# Allegro board arena_12-12_v5.brd (continued)
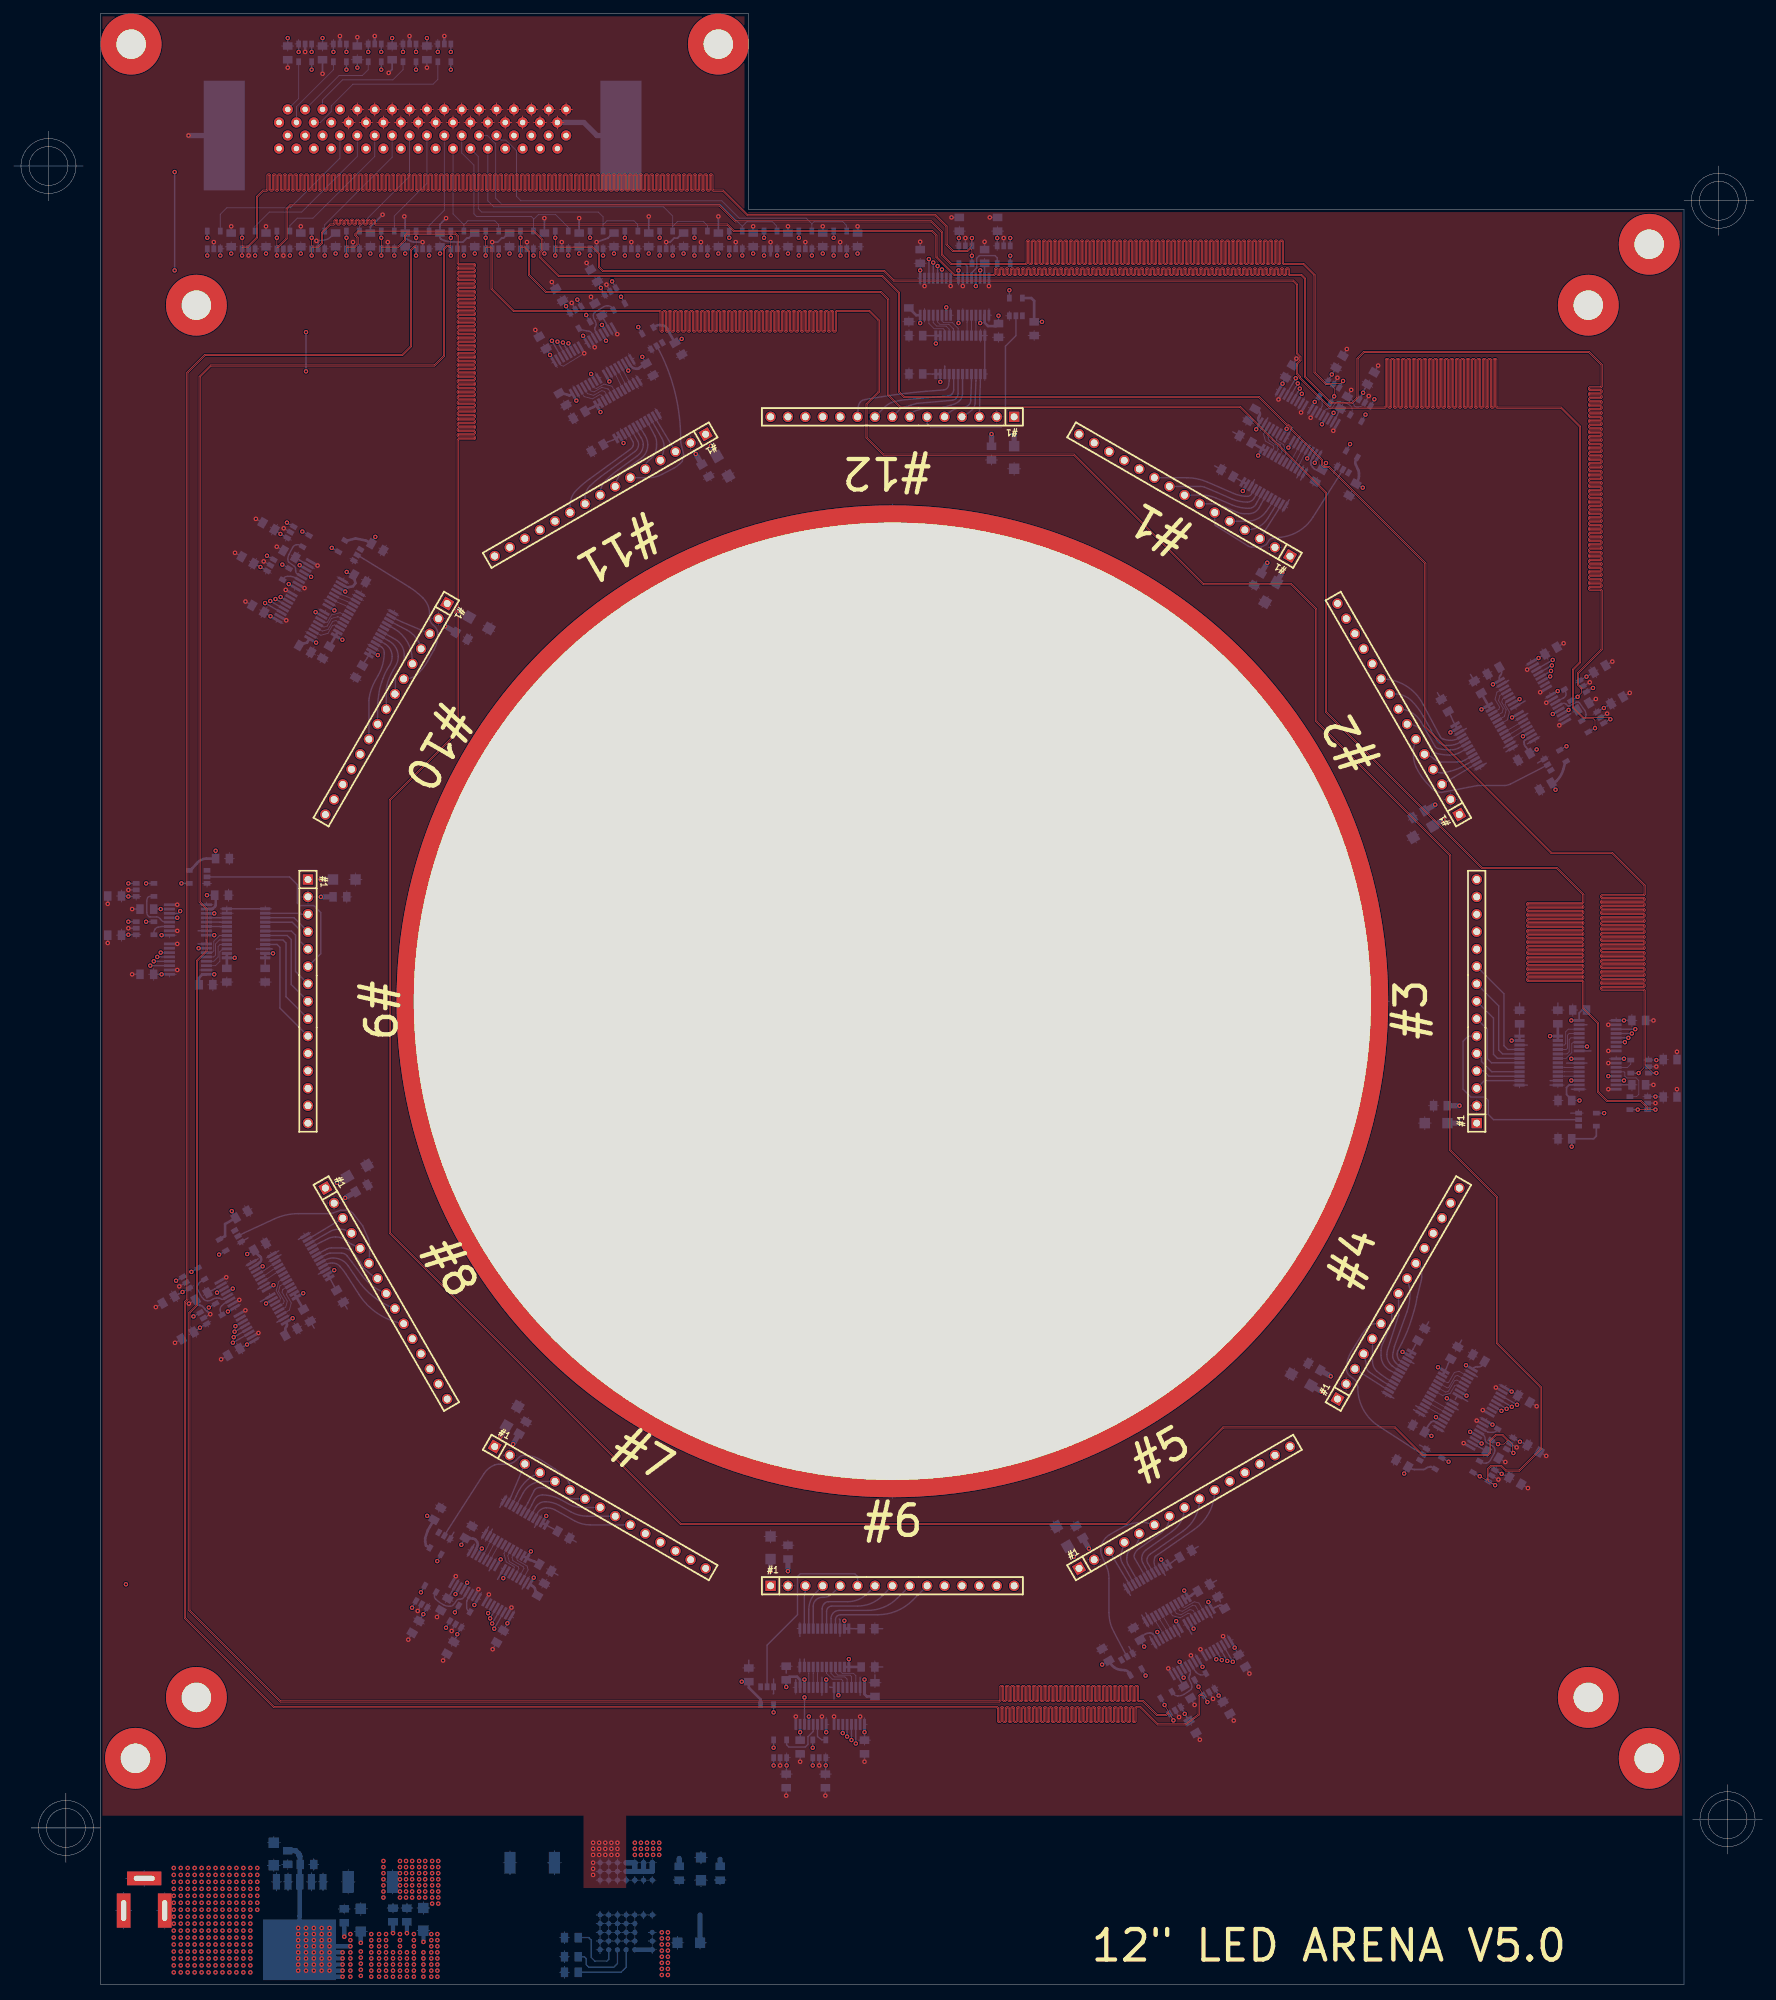
[diagram p0: board, top side]
## Routing (per net, layer and track width the routed paths; a pad name or vN(x,y) marks a point on that pad's centre or on a via; arc(x,y) is an arc through that point) (continued)
ISO3.3V: length 516.6
  BOTTOM w0.127: 170.04,41.08 170.38,40.5 ; 170.38,40.5 170.84,40.76 ; 170.38,40.5 170.72,39.92 ; 41.6,283.91 U75.1 41.07,283.24 ; 60.37,55.04 60.83,54.78 ; 60.37,55.04 60.04,54.46 ; 60.37,55.04 60.71,55.63 ; C184.1 42.79,253.63 ; C184.1 41.03,253.63 ; C184.1 41.91,254.37 ; 64.99,51.54 U78.1 ; U78.1 65.78,51.86 ; U78.1 65.66,52.71 ; U24.1 173.46,46.52 ; U24.1 172.48,48.22 ; U24.1 173.31,47.56 ; C69.1 220.05,86.74 ; C69.1 220.24,85.61 ; C69.1 218.97,86.34 ; C69.1 219.16,85.21 ; 77.35,239.42 C101.1 ; C101.1 76.95,238.34 ; C101.1 78.08,238.15 ; C101.1 78.48,239.22 ; C171.1 118.99,253.63 ; C171.1 118.11,254.37 ; C171.1 117.23,253.63 ; U23.1 215.08,82.63 ; U23.1 215.73,81.81 ; U23.1 214.04,82.79 ; 191.85,234.01 192.19,234.59 ; 191.85,234.01 191.51,233.42 ; 191.85,234.01 191.39,234.27 ; 112.78,29.99 C185.1 ; C185.1 112.78,31.45 ; C185.1 111.89,30.72 ; C185.1 113.66,30.72 ; 237.86,129.6 U68.1 238.53,130.13 ; C161.1 221.44,79.5 ; C161.1 220.37,79.1 ; C161.1 220.56,77.97 ; C161.1 221.64,78.37 ; C83.1 86.21,242.98 ; C83.1 86.61,244.05 ; C83.1 85.08,243.17 ; 240.81,128.66 C189.1 ; C189.1 240.08,129.54 ; C189.1 240.81,130.42 ; C189.1 241.54,129.54 ; C77.1 236.24,141.6 ; C77.1 236.97,140.72 ; C77.1 236.24,139.83 ; 56.31,283.24 U83.1 56.84,283.91 ; C156.1 52.07,254.37 ; C156.1 52.95,253.63 ; C156.1 51.19,253.63 ; U98.1 175.79,43.43 ; U98.1 175,43.75 ; U98.1 175.67,42.58 ; 61.39,283.24 U81.1 61.92,283.91 ; 51.76,283.91 U79.1 51.23,283.24 ; 76.59,253.63 C188.1 ; C188.1 77.47,254.37 ; C188.1 78.35,253.63 ; 232.56,186.59 C153.1 ; C153.1 233.63,186.19 ; C153.1 233.83,187.32 ; C153.1 232.76,187.72 ; C160.1 56.13,282.94 ; C160.1 54.36,282.94 ; C160.1 55.25,282.21 ; C89.1 125.09,35.67 ; C89.1 123.32,35.67 ; C89.1 124.21,34.94 ; 227.61,185.7 C97.1 228.68,185.3 ; 122.13,253.34 U51.1 121.6,254.02 ; U21.1 225.26,188.7 ; U21.1 223.56,187.72 ; U21.1 224.22,188.55 ; 142.76,255.92 C166.1 ; C166.1 143.64,256.65 ; C166.1 144.52,255.92 ; C166.1 143.64,255.19 ; 80.87,244.56 81.21,243.98 ; 81.21,243.98 81.54,243.4 ; 81.21,243.98 80.75,243.72 ; 214.4,78.21 C91.1 ; C91.1 214.59,77.08 ; C91.1 215.67,77.48 ; C164.1 61.21,282.94 ; C164.1 59.44,282.94 ; C164.1 60.33,282.21 ; 91.65,253.34 U63.1 91.12,254.02 ; C173.1 231.09,190.76 ; C173.1 230.02,191.16 ; C173.1 230.22,192.29 ; C173.1 231.29,191.89 ; C99.1 179.19,47.48 ; C99.1 179.59,48.55 ; C99.1 178.46,48.74 ; C99.1 178.06,47.67 ; 90.68,18.35 U130.A3 91.25,17.78 ; U3.1 35.25,93.64 ; U3.1 35.9,94.47 ; U3.1 34.2,93.49 ; 19.7,147.45 C105.1 ; C105.1 20.43,146.57 ; C105.1 20.43,148.33 ; 25.83,96.01 C197.1 ; C197.1 26.9,95.61 ; C197.1 25.63,94.88 ; C197.1 26.71,94.48 ; U130.A1 93.22,18.35 ; U130.A1 92.65,17.78 ; U130.A1 93.79,17.78 ; 30.69,253.34 U85.1 30.16,254.02 ; C180.1 102.87,254.37 ; C180.1 103.75,253.63 ; C180.1 101.99,253.63 ; 61.35,253.63 C175.1 ; C175.1 63.11,253.63 ; C175.1 62.23,254.37 ; 23.71,153.16 U16.1 22.73,152.78 ; 212.13,79.49 U23.7 213.83,78.51 ; 238.66,135.46 U94.1 237.98,134.93 ; C170.1 35.66,207.03 ; C170.1 34.59,206.63 ; C170.1 34.4,207.76 ; C170.1 35.47,208.16 ; 85.83,246.39 U60.1 ; U60.1 85.95,247.23 ; U60.1 86.62,246.06 ; 96.91,253.63 C187.1 ; C187.1 97.79,254.37 ; C187.1 98.67,253.63 ; 119,37.97 U13.1 118.62,38.95 ; 83.36,239.46 U18.1 ; U18.1 83.2,240.5 ; U18.1 84.18,238.8 ; 40.85,253.34 U89.1 40.32,254.02 ; 195.97,231.6 196.42,231.34 196.76,231.92 ; 39.93,211.15 40.52,210.81 ; 39.93,211.15 39.67,210.7 ; 39.93,211.15 39.35,211.49 ; 107.07,253.63 C195.1 ; C195.1 108.83,253.63 ; C195.1 107.95,254.37 ; 62.6,56.81 C73.1 ; C73.1 63,55.73 ; C73.1 64.13,55.92 ; C73.1 63.73,57 ; C182.1 177.3,41.69 ; C182.1 175.77,40.81 ; C182.1 176.17,41.88 ; C182.1 176.9,40.62 ; 56.27,253.63 C167.1 ; C167.1 57.15,254.37 ; C167.1 58.03,253.63 ; 15.73,158 C193.1 ; C193.1 15,158.88 ; C193.1 15.73,159.76 ; C193.1 16.46,158.88 ; 46.68,283.91 U77.1 46.15,283.24 ; C177.1 80.89,246.21 ; C177.1 79.76,246.4 ; C177.1 79.36,245.33 ; C177.1 80.5,245.14 ; 25.06,101.32 U54.1 ; U54.1 25.9,101.2 ; U54.1 26.23,101.99 ; 27.67,100.59 C93.1 ; C93.1 27.86,101.72 ; C93.1 28.93,101.32 ; 80.96,254.02 U65.1 81.49,253.34 ; U2.1 72.98,53.53 ; U2.1 73.13,54.57 ; U2.1 72.15,52.87 ; 187.47,229.91 U8.7 188.45,231.61 ; 45.09,282.21 C172.1 ; C172.1 44.2,282.94 ; C172.1 45.97,282.94 ; C157.1 193.81,235.55 ; C157.1 193.41,236.62 ; C157.1 192.68,235.36 ; C157.1 192.28,236.43 ; C42.1 100.33,19.48 ; C42.1 99.39,18.54 ; C42.1 101.27,18.54 ; C42.1 100.33,17.6 ; C186.1 65.02,49.57 ; C186.1 63.49,50.46 ; C186.1 64.62,50.65 ; C186.1 63.89,49.38 ; 119.08,33.12 U76.1 118.55,33.8 ; 170.46,44.17 C81.1 170.06,43.1 ; C168.1 88.51,253.63 ; C168.1 87.63,254.37 ; C168.1 86.75,253.63 ; 71.13,51.03 C67.1 ; C67.1 71.86,52.3 ; C67.1 70.73,52.11 ; C67.1 72.26,51.22 ; 177.18,51.01 U12.1 ; U12.1 178.16,49.32 ; U12.1 178.01,50.36 ; 42.2,207.62 U17.7 43.9,206.64 ; 91.38,17.78 U130.A2 ; U130.A2 92.52,17.78 ; U130.A2 91.95,18.35 ; C192.1 113.91,253.63 ; C192.1 112.15,253.63 ; C192.1 113.03,254.37 ; 36.11,199.52 C87.1 ; C87.1 37,201.05 ; C87.1 35.92,200.65 ; C87.1 37.19,199.92 ; 217.7,74.4 C165.1 ; C165.1 217.89,73.27 ; C165.1 218.78,74.8 ; C165.1 218.97,73.67 ; 101.28,254.02 U55.1 101.81,253.34 ; 65.01,59.14 U14.7 64.03,57.44 ; U11.1 218.53,86.63 ; U11.1 216.83,87.61 ; U11.1 217.87,87.46 ; C183.1 32.63,253.63 ; C183.1 31.75,254.37 ; C183.1 30.87,253.63 ; 233.93,135.51 U22.1 232.95,135.13 ; 40.3,204.33 U17.1 ; U17.1 42,203.34 ; U17.1 40.95,203.5 ; 23.03,101.21 C198.1 ; C198.1 23.91,99.68 ; C198.1 22.84,100.08 ; C198.1 24.1,100.82 ; 37.44,212.72 C169.1 ; C169.1 37.64,211.59 ; C169.1 38.52,213.12 ; C169.1 38.71,211.99 ; 38.29,198.8 U5.1 ; U5.1 37.63,199.63 ; U5.1 39.33,198.65 ; 132.33,248.07 U7.1 131.95,249.05 ; C191.1 47.87,253.63 ; C191.1 46.11,253.63 ; C191.1 46.99,254.37 ; 84.84,249.19 C178.1 ; C178.1 85.97,249 ; C178.1 85.58,247.93 ; C178.1 84.44,248.12 ; C71.1 186.45,234.15 ; C71.1 184.92,235.03 ; C71.1 186.05,235.22 ; C71.1 185.32,233.96 ; 189.02,230.19 U20.1 ; U20.1 189.85,230.85 ; U20.1 188.87,229.15 ; 40.49,208.65 C103.1 ; C103.1 41.76,207.92 ; C103.1 41.57,209.05 ; 228.35,190.77 U92.1 ; U92.1 228.03,189.98 ; U92.1 229.2,190.66 ; 197.25,232.94 C190.1 ; C190.1 197.99,234.21 ; C190.1 196.86,234.02 ; C190.1 198.38,233.13 ; 216.23,75.11 216.81,74.77 ; 216.23,75.11 216.49,75.56 ; 216.23,75.11 215.64,75.44 ; 137.54,249.05 U19.1 137.92,248.07 ; 31.2,102.6 U15.7 29.5,101.62 ; C111.1 133.22,251.22 ; C111.1 131.45,251.22 ; C111.1 132.33,251.95 ; C179.1 36.83,254.37 ; C179.1 37.71,253.63 ; C179.1 35.95,253.63 ; 137.46,253.77 U88.1 137.99,253.1 ; U6.1 79.36,236.01 ; U6.1 78.38,237.7 ; U6.1 78.53,236.66 ; C113.1 223.98,193.43 ; C113.1 223.1,194.96 ; C113.1 224.18,194.56 ; C113.1 222.91,193.82 ; 232.95,140.72 U10.1 233.93,141.1 ; 193.15,228.94 U20.7 192.17,227.24 ; 169.18,46.31 U24.7 170.16,44.62 ; 31.41,98.32 U15.1 ; U15.1 33.11,99.3 ; U15.1 32.45,98.47 ; C163.1 40.89,282.94 ; C163.1 40.01,282.21 ; C163.1 39.12,282.94 ; C174.1 138.93,255.92 ; C174.1 138.05,255.19 ; C174.1 137.17,255.92 ; C174.1 138.05,256.65 ; 15,153.16 C194.1 ; C194.1 16.46,153.16 ; C194.1 15.73,154.04 ; C194.1 15.73,152.28 ; 36.43,206.66 37.01,206.33 ; 37.01,206.33 36.75,205.87 ; 37.01,206.33 37.59,205.99 ; 116.52,254.02 U49.1 117.05,253.34 ; C154.1 59.54,53.7 ; C154.1 58.81,52.43 ; C154.1 59.94,52.62 ; C154.1 58.41,53.51 ; 225.47,184.42 U21.7 227.16,185.4 ; 35.77,253.34 U87.1 35.24,254.02 ; C162.1 119.37,30.72 ; C162.1 117.61,30.72 ; C162.1 118.49,29.99 ; C162.1 118.49,31.45 ; 18.56,153.23 U82.1 17.88,152.7 ; C152.1 72.39,254.37 ; C152.1 71.51,253.63 ; C152.1 73.27,253.63 ; U80.1 28.77,96.78 ; U80.1 28.44,95.99 ; U80.1 27.6,96.11 ; 67.33,55.54 U14.1 ; U14.1 68.15,56.19 ; U14.1 68.31,57.24 ; C176.1 67.31,254.37 ; C176.1 68.19,253.63 ; C176.1 66.43,253.63 ; C155.1 93.59,253.63 ; C155.1 92.71,254.37 ; C155.1 91.83,253.63 ; C158.1 171.95,37.83 ; C158.1 172.35,38.9 ; C158.1 171.22,39.09 ; C158.1 170.82,38.02 ; 240.81,134.12 C181.1 ; C181.1 240.81,135.88 ; C181.1 241.54,135 ; C181.1 240.08,135 ; 193.32,229.39 C107.1 ; C107.1 194.45,229.58 ; C107.1 194.05,230.65 ; 124.21,38.95 U1.1 124.59,37.97 ; 50.48,254.02 U93.1 51.01,253.34 ; C75.1 33.63,93.2 ; C75.1 32.56,93.59 ; C75.1 33.44,92.06 ; C75.1 32.36,92.46 ; 221.42,193.38 U9.1 ; U9.1 220.77,192.55 ; U9.1 222.46,193.53 ; 184.32,232.86 U8.1 ; U8.1 184.17,231.82 ; U8.1 185.15,233.51 ; 218.31,80.14 U96.1 ; U96.1 219.48,79.47 ; U96.1 219.16,80.26 ; 60.64,254.02 U97.1 61.17,253.34 ; 106.36,254.02 U59.1 106.89,253.34 ; 45.4,254.02 U91.1 45.93,253.34 ; C159.1 82.55,254.37 ; C159.1 81.67,253.63 ; C159.1 83.43,253.63 ; 236.97,131.32 C95.1 236.24,130.44 ; 87.48,240.71 U18.7 86.5,242.4 ; 86.57,253.34 U61.1 86.04,254.02 ; 96.73,253.34 U53.1 96.2,254.02 ; 112.84,33.8 U50.1 113.36,33.12 ; C196.1 124.07,253.63 ; C196.1 123.19,254.37 ; C196.1 122.31,253.63 ; 76.41,253.34 U67.1 75.88,254.02 ; 49.28,280.94 C151.1 ; C151.1 51.05,280.94 ; C151.1 50.17,281.67 ; 143.58,253.1 U62.1 143.05,253.77 ; 18.56,158.82 U56.1 17.88,158.29 ; 230.89,186.2 U66.1 ; U66.1 230.57,185.41 ; U66.1 231.74,186.09 ; 55.56,254.02 U95.1 56.09,253.34 ; 111.97,253.34 U57.1 111.44,254.02 ; 23.71,147.45 U4.1 22.73,147.06 ; 141.73,251.95 C109.1 142.61,251.22
  BOTTOM w0.203: C111.1 v1(132.33,250.19) U7.1 ; C113.1 222.55,193.62 ; C71.1 v1(185.23,233.65) U8.1 ; U9.1 v1(222.61,193.61) ; U65.1 v1(80.96,252.36) ; U10.1 v1(235.08,140.72) C77.1 ; C87.1 v1(37.49,199.71) U5.1 ; C103.1 42.06,207.71 U17.7 ; C185.1 v1(112.84,31.98) U50.1 ; U20.1 v1(189.93,230.99) ; U15.1 v1(31.27,98.23) ; C165.1 v1(217.22,74.53) 216.23,75.11 ; C170.1 v1(36.02,206.9) 37.01,206.33 ; C158.1 v1(170.95,39.51) 170.38,40.5 ; U83.1 v1(56.84,282.08) ; U6.1 v1(78.3,237.85) C101.1 ; C183.1 v1(31.75,252.65) ; U81.1 v1(61.92,282.08) ; U20.7 193.23,229.08 C107.1 ; C161.1 v1(219.89,79.23) U96.1 ; C164.1 v1(60.33,284.1) ; C177.1 v1(80.63,244.97) 81.21,243.98 ; U85.1 v1(30.16,252.36) ; C153.1 v1(232.14,186.32) U66.1 ; U88.1 v1(137.99,254.91) C174.1 ; U21.7 227.3,185.49 ; 196.42,231.34 v1(196.99,232.33) 197.23,232.9 C190.1 ; U11.1 v1(218.67,86.55) C69.1 ; U24.1 v1(173.55,46.38) ; C188.1 v1(77.47,252.65) ; C175.1 v1(62.23,252.65) ; U68.1 v1(239.67,129.6) C189.1 ; U77.1 v1(46.68,282.08) ; C176.1 v1(67.31,252.65) ; C85.1 v1(21.46,156.97) U16.7 ; C159.1 v1(82.55,252.65) ; C79.1 v1(114.81,36.83) U13.7 ; C81.1 170.25,44.48 U24.7 ; U79.1 v1(51.76,282.08) ; U59.1 v1(106.36,252.36) ; U53.1 v1(96.2,252.36) ; C169.1 v1(38.94,211.72) 39.93,211.15 ; U13.1 v1(118.62,36.83) ; U94.1 v1(239.8,134.93) C181.1 ; C193.1 v1(16.74,158.82) U56.1 ; U51.1 v1(121.6,252.36) ; U78.1 v1(64.75,51.13) C186.1 ; C105.1 v1(21.59,147.45) U4.1 ; C163.1 v1(40.01,284.1) ; C83.1 86.42,242.54 U18.7 ; U57.1 v1(111.44,252.36) ; U89.1 v1(40.32,252.36) ; C171.1 v1(118.11,252.65) ; U95.1 v1(55.56,252.36) ; U62.1 v1(143.58,254.91) C166.1 ; C167.1 v1(57.15,252.65) ; U92.1 v1(229.6,190.89) C173.1 ; U54.1 v1(24.65,101.08) 24.15,100.84 C198.1 ; C182.1 v1(175.91,42.18) U98.1 ; U14.7 63.95,57.3 C73.1 ; C179.1 v1(36.83,252.65) ; C191.1 v1(46.99,252.65) ; C157.1 v1(192.42,235) 191.85,234.01 ; C154.1 v1(59.8,54.05) 60.37,55.04 ; C89.1 v1(124.21,36.83) U1.1 ; U82.1 v1(16.74,153.23) C194.1 ; U19.7 C109.1 ; U18.1 v1(83.12,240.64) ; U97.1 v1(60.64,252.36) ; C178.1 v1(85.71,247.64) U60.1 ; U80.1 v1(27.19,95.87) C197.1 ; U76.1 v1(118.55,31.98) C162.1 ; U17.1 v1(40.16,204.41) ; C192.1 v1(113.03,252.65) ; C172.1 v1(45.09,284.1) ; C196.1 v1(123.19,252.65) ; U16.1 v1(21.59,153.16) ; U23.7 213.97,78.43 C91.1 ; C184.1 v1(41.91,252.65) ; U22.1 v1(235.08,135.13) ; C93.1 29.36,101.53 U15.7 ; U61.1 v1(86.04,252.36) ; C99.1 v1(178.24,49.17) U12.1 ; U71.1 v1(65.72,252.36) ; U2.1 v1(72.07,52.73) C67.1 ; U63.1 v1(91.12,252.36) ; C75.1 v1(34.06,93.41) U3.1 ; U55.1 v1(101.28,252.36) ; U49.1 v1(116.52,252.36) ; C152.1 v1(72.39,252.65) ; U14.1 v1(67.25,55.4) ; U67.1 v1(75.88,252.36) ; U22.7 C95.1 ; U93.1 v1(50.48,252.36) ; U23.1 v1(215.87,81.72) ; C195.1 v1(107.95,252.65) ; U87.1 v1(35.24,252.36) ; C156.1 v1(52.07,252.65) ; U75.1 v1(41.6,282.08) ; C151.1 v1(50.17,279.78) ; C168.1 v1(87.63,252.65) ; U91.1 v1(45.4,252.36) ; C180.1 v1(102.87,252.65) ; U69.1 v1(70.8,252.36) ; C187.1 v1(97.79,252.65) ; U21.1 v1(225.4,188.79) ; C155.1 v1(92.71,252.65) ; C160.1 v1(55.25,284.1) ; U19.1 v1(137.92,250.19)
  BOTTOM w0.762: U130.B2 U130.A2 ; U130.B2 U130.B1 U130.A1 ; U130.B2 U130.B3 ; U130.B4 U130.B3 ; U130.B3 U130.A3 U130.A4 ; C43.1 103.12,18.29 ; C44.1 97.16,18.41
  vias: v1(90.68,20.7) v1(90.68,19.81) v1(90.68,18.92) v1(91.57,20.7) v1(91.57,19.81) v1(91.57,18.92) v1(92.46,20.7) v1(92.46,19.81) v1(92.46,18.92) v1(93.35,20.7) v1(93.35,19.81) v1(93.35,18.92) v1(94.23,20.7) v1(94.23,19.81) v1(94.23,18.92)
M0_N: length 471.4
  PWR w0.089: v1(116.65,34.57) 116.65,33.45 116.56,33.36 114.39,33.36 113.79,32.77 113.79,31.37 113.41,30.99 110.23,30.99 110.16,31.05 110.16,32.73 109.99,32.89 109.76,32.89 109.59,32.73 109.59,31.05 109.53,30.99 109.44,30.99 109.37,31.05 109.37,32.73 109.21,32.89 108.97,32.89 108.8,32.73 108.8,31.05 108.74,30.99 108.65,30.99 108.59,31.05 108.59,32.73 108.42,32.89 108.18,32.89 108.02,32.73 108.02,31.05 107.95,30.99 107.86,30.99 107.8,31.05 107.8,32.73 107.63,32.89 107.4,32.89 107.23,32.73 107.23,31.05 107.17,30.99 107.08,30.99 107.01,31.05 107.01,32.73 106.85,32.89 106.61,32.89 106.44,32.73 106.44,31.05 106.38,30.99 106.05,30.99 104.39,32.64 103.77,32.64 103.6,32.47 103.6,30.59 103.54,30.53 103.45,30.53 103.38,30.59 103.38,32.47 103.22,32.64 102.98,32.64 102.81,32.47 102.81,30.59 102.75,30.53 102.66,30.53 102.6,30.59 102.6,32.47 102.43,32.64 102.19,32.64 102.02,32.47 102.02,30.59 101.96,30.53 101.87,30.53 101.81,30.59 101.81,32.47 101.64,32.64 101.4,32.64 101.24,32.47 101.24,30.59 101.17,30.53 101.08,30.53 101.02,30.59 101.02,32.47 100.85,32.64 100.62,32.64 100.45,32.47 100.45,30.59 100.39,30.53 100.3,30.53 100.23,30.59 100.23,32.47 100.07,32.64 99.83,32.64 99.66,32.47 99.66,30.59 99.6,30.53 99.51,30.53 99.45,30.59 99.45,32.47 99.28,32.64 99.04,32.64 98.87,32.47 98.87,30.59 98.81,30.53 98.72,30.53 98.66,30.59 98.66,32.47 98.49,32.64 98.25,32.64 98.09,32.47 98.09,30.59 98.02,30.53 97.93,30.53 97.87,30.59 97.87,32.47 97.7,32.64 97.47,32.64 97.3,32.47 97.3,30.59 97.24,30.53 97.15,30.53 97.08,30.59 97.08,32.47 96.92,32.64 96.68,32.64 96.51,32.47 96.51,30.59 96.45,30.53 96.36,30.53 96.3,30.59 96.3,32.47 96.13,32.64 95.89,32.64 95.72,32.47 95.72,30.59 95.66,30.53 95.57,30.53 95.51,30.59 95.51,32.47 95.34,32.64 95.11,32.64 94.94,32.47 94.94,30.59 94.87,30.53 94.79,30.53 94.72,30.59 94.72,32.47 94.55,32.64 35.94,32.64 33.91,34.67 33.91,47.88 32.13,49.66 16.38,49.66 14.48,51.56 14.48,273.81 19.3,278.64 22.31,278.64 22.47,278.81 22.47,279.29 22.54,279.35 22.63,279.35 22.69,279.29 22.69,278.81 22.86,278.64 23.09,278.64 23.26,278.81 23.26,279.29 23.32,279.35 23.41,279.35 23.48,279.29 23.48,278.81 23.64,278.64 23.88,278.64 24.05,278.81 24.05,279.29 24.11,279.35 24.2,279.35 24.26,279.29 24.26,278.81 24.43,278.64 24.67,278.64 24.84,278.81 24.84,279.29 24.9,279.35 24.99,279.35 25.05,279.29 25.05,278.81 25.22,278.64 25.46,278.64 25.62,278.81 25.62,279.29 25.69,279.35 25.78,279.35 25.84,279.29 25.84,278.81 26.01,278.64 26.24,278.64 26.41,278.81 26.41,279.29 26.47,279.35 26.56,279.35 26.63,279.29 26.63,278.81 26.79,278.64 27.03,278.64 27.2,278.81 27.2,279.29 27.26,279.35 27.35,279.35 27.41,279.29 27.41,278.81 27.58,278.64 27.82,278.64 27.99,278.81 27.99,279.29 28.05,279.35 28.14,279.35 28.2,279.29 28.2,278.81 28.37,278.64 28.61,278.64 28.77,278.81 28.77,279.29 28.84,279.35 28.93,279.35 28.99,279.29 28.99,278.81 29.16,278.64 29.39,278.64 29.56,278.81 29.56,279.29 29.62,279.35 29.71,279.35 29.78,279.29 29.78,278.81 29.94,278.64 30.18,278.64 30.35,278.81 30.35,279.29 30.41,279.35 30.5,279.35 30.56,279.29 30.56,278.81 30.73,278.64 30.97,278.64 31.14,278.81 31.14,279.29 31.2,279.35 31.29,279.35 31.35,279.29 31.35,278.81 31.52,278.64 31.76,278.64 31.92,278.81 31.92,279.29 31.99,279.35 32.08,279.35 32.14,279.29 32.14,278.81 32.31,278.64 32.54,278.64 32.71,278.81 32.71,279.29 32.77,279.35 32.86,279.35 32.93,279.29 32.93,278.81 33.09,278.64 33.33,278.64 33.5,278.81 33.5,279.29 33.56,279.35 33.65,279.35 33.71,279.29 33.71,278.81 33.88,278.64 34.12,278.64 34.28,278.81 34.28,279.29 34.35,279.35 34.44,279.35 34.5,279.29 34.5,278.81 34.67,278.64 34.9,278.64 35.07,278.81 35.07,279.29 35.14,279.35 35.22,279.35 35.29,279.29 35.29,278.81 35.46,278.64 35.69,278.64 35.86,278.81 35.86,279.29 35.92,279.35 36.01,279.35 36.08,279.29 36.08,278.81 36.24,278.64 36.48,278.64 36.65,278.81 36.65,279.29 36.71,279.35 36.8,279.35 36.86,279.29 36.86,278.81 37.03,278.64 37.27,278.64 37.43,278.81 37.43,279.29 37.5,279.35 37.59,279.35 37.65,279.29 37.65,278.81 37.82,278.64 38.05,278.64 38.22,278.81 38.22,279.29 38.29,279.35 38.37,279.35 38.44,279.29 38.44,278.81 38.61,278.64 43.82,278.64 45.09,279.91 45.09,280.86 44.89,281.05 44.45,281.05 43.49,282.01 v1(43.49,282.08)
  BOTTOM w0.203: U75.3 v1(43.49,282.08) ; U76.4 v1(116.65,34.57)
M0_P: length 471.7
  PWR w0.089: v1(116.65,31.98) 116.65,33.1 116.56,33.19 114.46,33.19 113.97,32.69 113.97,31.3 113.48,30.81 110.15,30.81 109.98,30.98 109.98,32.65 109.92,32.72 109.83,32.72 109.77,32.65 109.77,30.98 109.6,30.81 109.36,30.81 109.2,30.98 109.2,32.65 109.13,32.72 109.04,32.72 108.98,32.65 108.98,30.98 108.81,30.81 108.58,30.81 108.41,30.98 108.41,32.65 108.35,32.72 108.26,32.72 108.19,32.65 108.19,30.98 108.03,30.81 107.79,30.81 107.62,30.98 107.62,32.65 107.56,32.72 107.47,32.72 107.41,32.65 107.41,30.98 107.24,30.81 107,30.81 106.83,30.98 106.83,32.65 106.77,32.72 106.68,32.72 106.62,32.65 106.62,30.98 106.45,30.81 105.97,30.81 104.32,32.46 103.84,32.46 103.78,32.4 103.78,30.52 103.61,30.35 103.37,30.35 103.21,30.52 103.21,32.4 103.14,32.46 103.05,32.46 102.99,32.4 102.99,30.52 102.82,30.35 102.59,30.35 102.42,30.52 102.42,32.4 102.35,32.46 102.27,32.46 102.2,32.4 102.2,30.52 102.03,30.35 101.8,30.35 101.63,30.52 101.63,32.4 101.57,32.46 101.48,32.46 101.41,32.4 101.41,30.52 101.25,30.35 101.01,30.35 100.84,30.52 100.84,32.4 100.78,32.46 100.69,32.46 100.63,32.4 100.63,30.52 100.46,30.35 100.22,30.35 100.06,30.52 100.06,32.4 99.99,32.46 99.9,32.46 99.84,32.4 99.84,30.52 99.67,30.35 99.44,30.35 99.27,30.52 99.27,32.4 99.2,32.46 99.12,32.46 99.05,32.4 99.05,30.52 98.88,30.35 98.65,30.35 98.48,30.52 98.48,32.4 98.42,32.46 98.33,32.46 98.26,32.4 98.26,30.52 98.1,30.35 97.86,30.35 97.69,30.52 97.69,32.4 97.63,32.46 97.54,32.46 97.48,32.4 97.48,30.52 97.31,30.35 97.07,30.35 96.91,30.52 96.91,32.4 96.84,32.46 96.75,32.46 96.69,32.4 96.69,30.52 96.52,30.35 96.29,30.35 96.12,30.52 96.12,32.4 96.06,32.46 95.97,32.46 95.9,32.4 95.9,30.52 95.74,30.35 95.5,30.35 95.33,30.52 95.33,32.4 95.27,32.46 95.18,32.46 95.12,32.4 95.12,30.52 94.95,30.35 94.71,30.35 94.54,30.52 94.54,32.4 94.48,32.46 35.87,32.46 33.73,34.6 33.73,47.81 32.06,49.48 16.31,49.48 14.3,51.49 14.3,273.89 19.23,278.82 22.23,278.82 22.3,278.88 22.3,279.36 22.46,279.53 22.7,279.53 22.87,279.36 22.87,278.88 22.93,278.82 23.02,278.82 23.08,278.88 23.08,279.36 23.25,279.53 23.49,279.53 23.66,279.36 23.66,278.88 23.72,278.82 23.81,278.82 23.87,278.88 23.87,279.36 24.04,279.53 24.27,279.53 24.44,279.36 24.44,278.88 24.51,278.82 24.59,278.82 24.66,278.88 24.66,279.36 24.83,279.53 25.06,279.53 25.23,279.36 25.23,278.88 25.29,278.82 25.38,278.82 25.45,278.88 25.45,279.36 25.61,279.53 25.85,279.53 26.02,279.36 26.02,278.88 26.08,278.82 26.17,278.82 26.23,278.88 26.23,279.36 26.4,279.53 26.64,279.53 26.8,279.36 26.8,278.88 26.87,278.82 26.96,278.82 27.02,278.88 27.02,279.36 27.19,279.53 27.42,279.53 27.59,279.36 27.59,278.88 27.66,278.82 27.74,278.82 27.81,278.88 27.81,279.36 27.98,279.53 28.21,279.53 28.38,279.36 28.38,278.88 28.44,278.82 28.53,278.82 28.6,278.88 28.6,279.36 28.76,279.53 29,279.53 29.17,279.36 29.17,278.88 29.23,278.82 29.32,278.82 29.38,278.88 29.38,279.36 29.55,279.53 29.79,279.53 29.95,279.36 29.95,278.88 30.02,278.82 30.11,278.82 30.17,278.88 30.17,279.36 30.34,279.53 30.57,279.53 30.74,279.36 30.74,278.88 30.81,278.82 30.89,278.82 30.96,278.88 30.96,279.36 31.13,279.53 31.36,279.53 31.53,279.36 31.53,278.88 31.59,278.82 31.68,278.82 31.74,278.88 31.74,279.36 31.91,279.53 32.15,279.53 32.32,279.36 32.32,278.88 32.38,278.82 32.47,278.82 32.53,278.88 32.53,279.36 32.7,279.53 32.94,279.53 33.1,279.36 33.1,278.88 33.17,278.82 33.26,278.82 33.32,278.88 33.32,279.36 33.49,279.53 33.72,279.53 33.89,279.36 33.89,278.88 33.95,278.82 34.04,278.82 34.11,278.88 34.11,279.36 34.27,279.53 34.51,279.53 34.68,279.36 34.68,278.88 34.74,278.82 34.83,278.82 34.89,278.88 34.89,279.36 35.06,279.53 35.3,279.53 35.47,279.36 35.47,278.88 35.53,278.82 35.62,278.82 35.68,278.88 35.68,279.36 35.85,279.53 36.09,279.53 36.25,279.36 36.25,278.88 36.32,278.82 36.41,278.82 36.47,278.88 36.47,279.36 36.64,279.53 36.87,279.53 37.04,279.36 37.04,278.88 37.1,278.82 37.19,278.82 37.26,278.88 37.26,279.36 37.42,279.53 37.66,279.53 37.83,279.36 37.83,278.88 37.89,278.82 37.98,278.82 38.04,278.88 38.04,279.36 38.21,279.53 38.45,279.53 38.62,279.36 38.62,278.88 38.68,278.82 43.74,278.82 44.91,279.98 44.91,280.78 44.82,280.87 44.45,280.87 43.49,279.92 v1(43.49,279.49)
  BOTTOM w0.203: U75.4 v1(43.49,279.49) ; U76.3 v1(116.65,31.98)
M1_N: length 475.3
  PWR w0.089: v1(48.57,282.08) 48.57,281.24 48.95,280.87 50.35,280.87 51.05,280.16 51.05,277.11 49.66,275.72 20.83,275.72 17.53,272.41 17.53,233.93 18.54,232.92 18.92,232.92 18.99,232.98 18.99,233.77 19.15,233.93 19.39,233.93 19.56,233.77 19.56,232.98 19.62,232.92 19.71,232.92 19.77,232.98 19.77,233.77 19.94,233.93 20.18,233.93 20.35,233.77 20.35,232.98 20.41,232.92 20.5,232.92 20.56,232.98 20.56,233.77 20.73,233.93 20.97,233.93 21.13,233.77 21.13,232.98 21.2,232.92 21.29,232.92 21.35,232.98 21.35,233.77 21.52,233.93 21.75,233.93 21.92,233.77 21.92,232.98 21.98,232.92 22.07,232.92 22.14,232.98 22.14,233.77 22.3,233.93 22.54,233.93 22.71,233.77 22.71,232.98 22.77,232.92 22.86,232.92 22.92,232.98 22.92,233.77 23.09,233.93 23.33,233.93 23.5,233.77 23.5,232.98 23.56,232.92 25.53,232.92 30.16,228.29 30.16,128.97 15.75,114.55 15.75,53.09 17.02,51.82 20.5,51.82 20.66,51.65 20.66,50.28 20.73,50.22 20.82,50.22 20.88,50.28 20.88,51.65 21.05,51.82 21.28,51.82 21.45,51.65 21.45,50.28 21.51,50.22 21.6,50.22 21.67,50.28 21.67,51.65 21.83,51.82 22.07,51.82 22.24,51.65 22.24,50.28 22.3,50.22 22.39,50.22 22.45,50.28 22.45,51.65 22.62,51.82 22.86,51.82 23.03,51.65 23.03,50.28 23.09,50.22 23.18,50.22 23.24,50.28 23.24,51.65 23.41,51.82 23.64,51.82 23.81,51.65 23.81,50.28 23.88,50.22 23.96,50.22 24.03,50.28 24.03,51.65 24.2,51.82 24.43,51.82 24.6,51.65 24.6,50.28 24.66,50.22 24.75,50.22 24.82,50.28 24.82,51.65 24.98,51.82 25.22,51.82 25.39,51.65 25.39,50.28 25.45,50.22 25.54,50.22 25.6,50.28 25.6,51.65 25.77,51.82 26.01,51.82 26.17,51.65 26.17,50.28 26.24,50.22 26.33,50.22 26.39,50.28 26.39,51.65 26.56,51.82 26.79,51.82 26.96,51.65 26.96,50.28 27.03,50.22 27.11,50.22 27.18,50.28 27.18,51.65 27.35,51.82 27.58,51.82 27.75,51.65 27.75,50.28 27.81,50.22 27.9,50.22 27.97,50.28 27.97,51.65 28.13,51.82 28.37,51.82 28.54,51.65 28.54,50.28 28.6,50.22 28.69,50.22 28.75,50.28 28.75,51.65 28.92,51.82 29.16,51.82 29.32,51.65 29.32,50.28 29.39,50.22 29.48,50.22 29.54,50.28 29.54,51.65 29.71,51.82 29.94,51.82 30.11,51.65 30.11,50.28 30.18,50.22 30.26,50.22 30.33,50.28 30.33,51.65 30.5,51.82 30.73,51.82 30.9,51.65 30.9,50.28 30.96,50.22 31.05,50.22 31.12,50.28 31.12,51.65 31.28,51.82 31.52,51.82 31.69,51.65 31.69,50.28 31.75,50.22 31.84,50.22 31.9,50.28 31.9,51.65 32.07,51.82 32.31,51.82 32.47,51.65 32.47,50.28 32.54,50.22 32.63,50.22 32.69,50.28 32.69,51.65 32.86,51.82 33.09,51.82 33.26,51.65 33.26,50.28 33.32,50.22 33.41,50.22 33.48,50.28 33.48,51.65 33.64,51.82 33.88,51.82 34.05,51.65 34.05,50.28 34.11,50.22 34.2,50.22 34.26,50.28 34.26,51.65 34.43,51.82 34.67,51.82 34.84,51.65 34.84,50.28 34.9,50.22 34.99,50.22 35.05,50.28 35.05,51.65 35.22,51.82 35.46,51.82 35.62,51.65 35.62,50.28 35.69,50.22 35.78,50.22 35.84,50.28 35.84,51.65 36.01,51.82 36.24,51.82 36.41,51.65 36.41,50.28 36.47,50.22 36.56,50.22 36.63,50.28 36.63,51.65 36.79,51.82 37.03,51.82 37.2,51.65 37.2,50.28 37.26,50.22 37.35,50.22 37.41,50.28 37.41,51.65 37.58,51.82 37.82,51.82 37.99,51.65 37.99,50.28 38.05,50.22 38.14,50.22 38.2,50.28 38.2,51.65 38.37,51.82 38.61,51.82 38.77,51.65 38.77,50.28 38.84,50.22 38.93,50.22 38.99,50.28 38.99,51.65 39.16,51.82 39.39,51.82 39.56,51.65 39.56,50.28 39.62,50.22 39.71,50.22 39.78,50.28 39.78,51.65 39.94,51.82 40.18,51.82 40.35,51.65 40.35,50.28 40.41,50.22 40.5,50.22 40.56,50.28 40.56,51.65 40.73,51.82 40.97,51.82 41.14,51.65 41.14,50.28 41.2,50.22 41.29,50.22 41.35,50.28 41.35,51.65 41.52,51.82 41.76,51.82 41.92,51.65 41.92,50.28 41.99,50.22 42.08,50.22 42.14,50.28 42.14,51.65 42.31,51.82 42.54,51.82 42.71,51.65 42.71,50.28 42.77,50.22 42.86,50.22 42.93,50.28 42.93,51.65 43.09,51.82 43.33,51.82 43.5,51.65 43.5,50.28 43.56,50.22 43.65,50.22 43.71,50.28 43.71,51.65 43.88,51.82 44.12,51.82 44.28,51.65 44.28,50.28 44.35,50.22 44.44,50.22 44.5,50.28 44.5,51.65 44.67,51.82 44.9,51.82 45.07,51.65 45.07,50.28 45.14,50.22 45.22,50.22 45.29,50.28 45.29,51.65 45.46,51.82 45.69,51.82 45.86,51.65 45.86,50.28 45.92,50.22 46.01,50.22 46.08,50.28 46.08,51.65 46.24,51.82 46.48,51.82 46.65,51.65 46.65,50.28 46.71,50.22 46.8,50.22 46.86,50.28 46.86,51.65 47.03,51.82 47.27,51.82 47.43,51.65 47.43,50.28 47.5,50.22 47.59,50.22 47.65,50.28 47.65,51.65 47.82,51.82 48.05,51.82 48.22,51.65 48.22,50.28 48.29,50.22 48.37,50.22 48.44,50.28 48.44,51.65 48.61,51.82 48.84,51.82 49.01,51.65 49.01,50.28 49.07,50.22 49.16,50.22 49.23,50.28 49.23,51.65 49.39,51.82 49.63,51.82 49.8,51.65 49.8,50.28 49.86,50.22 49.95,50.22 50.01,50.28 50.01,51.65 50.18,51.82 50.42,51.82 50.58,51.65 50.58,50.28 50.65,50.22 50.74,50.22 50.8,50.28 50.8,51.65 50.97,51.82 51.2,51.82 51.37,51.65 51.37,50.28 51.44,50.22 51.52,50.22 51.59,50.28 51.59,51.65 51.76,51.82 51.99,51.82 52.16,51.65 52.16,50.28 52.22,50.22 52.31,50.22 52.37,50.28 52.37,51.65 52.54,51.82 52.78,51.82 52.95,51.65 52.95,50.28 53.01,50.22 53.1,50.22 53.16,50.28 53.16,51.65 53.33,51.82 53.57,51.82 53.73,51.65 53.73,50.28 53.8,50.22 53.89,50.22 53.95,50.28 53.95,51.65 54.12,51.82 54.35,51.82 54.52,51.65 54.52,50.28 54.58,50.22 54.67,50.22 54.74,50.28 54.74,51.65 54.9,51.82 55.14,51.82 55.31,51.65 55.31,50.28 55.37,50.22 55.46,50.22 55.52,50.28 55.52,51.65 55.69,51.82 55.93,51.82 56.1,51.65 56.1,50.28 56.16,50.22 56.25,50.22 56.31,50.28 56.31,51.65 56.48,51.82 60.71,51.82 62.74,53.85 63.15,53.85 63.61,53.39 63.72,53.33 63.84,53.36 v1(64.4,54.33)